# KiCad board retroslop.kicad_pcb (continued)
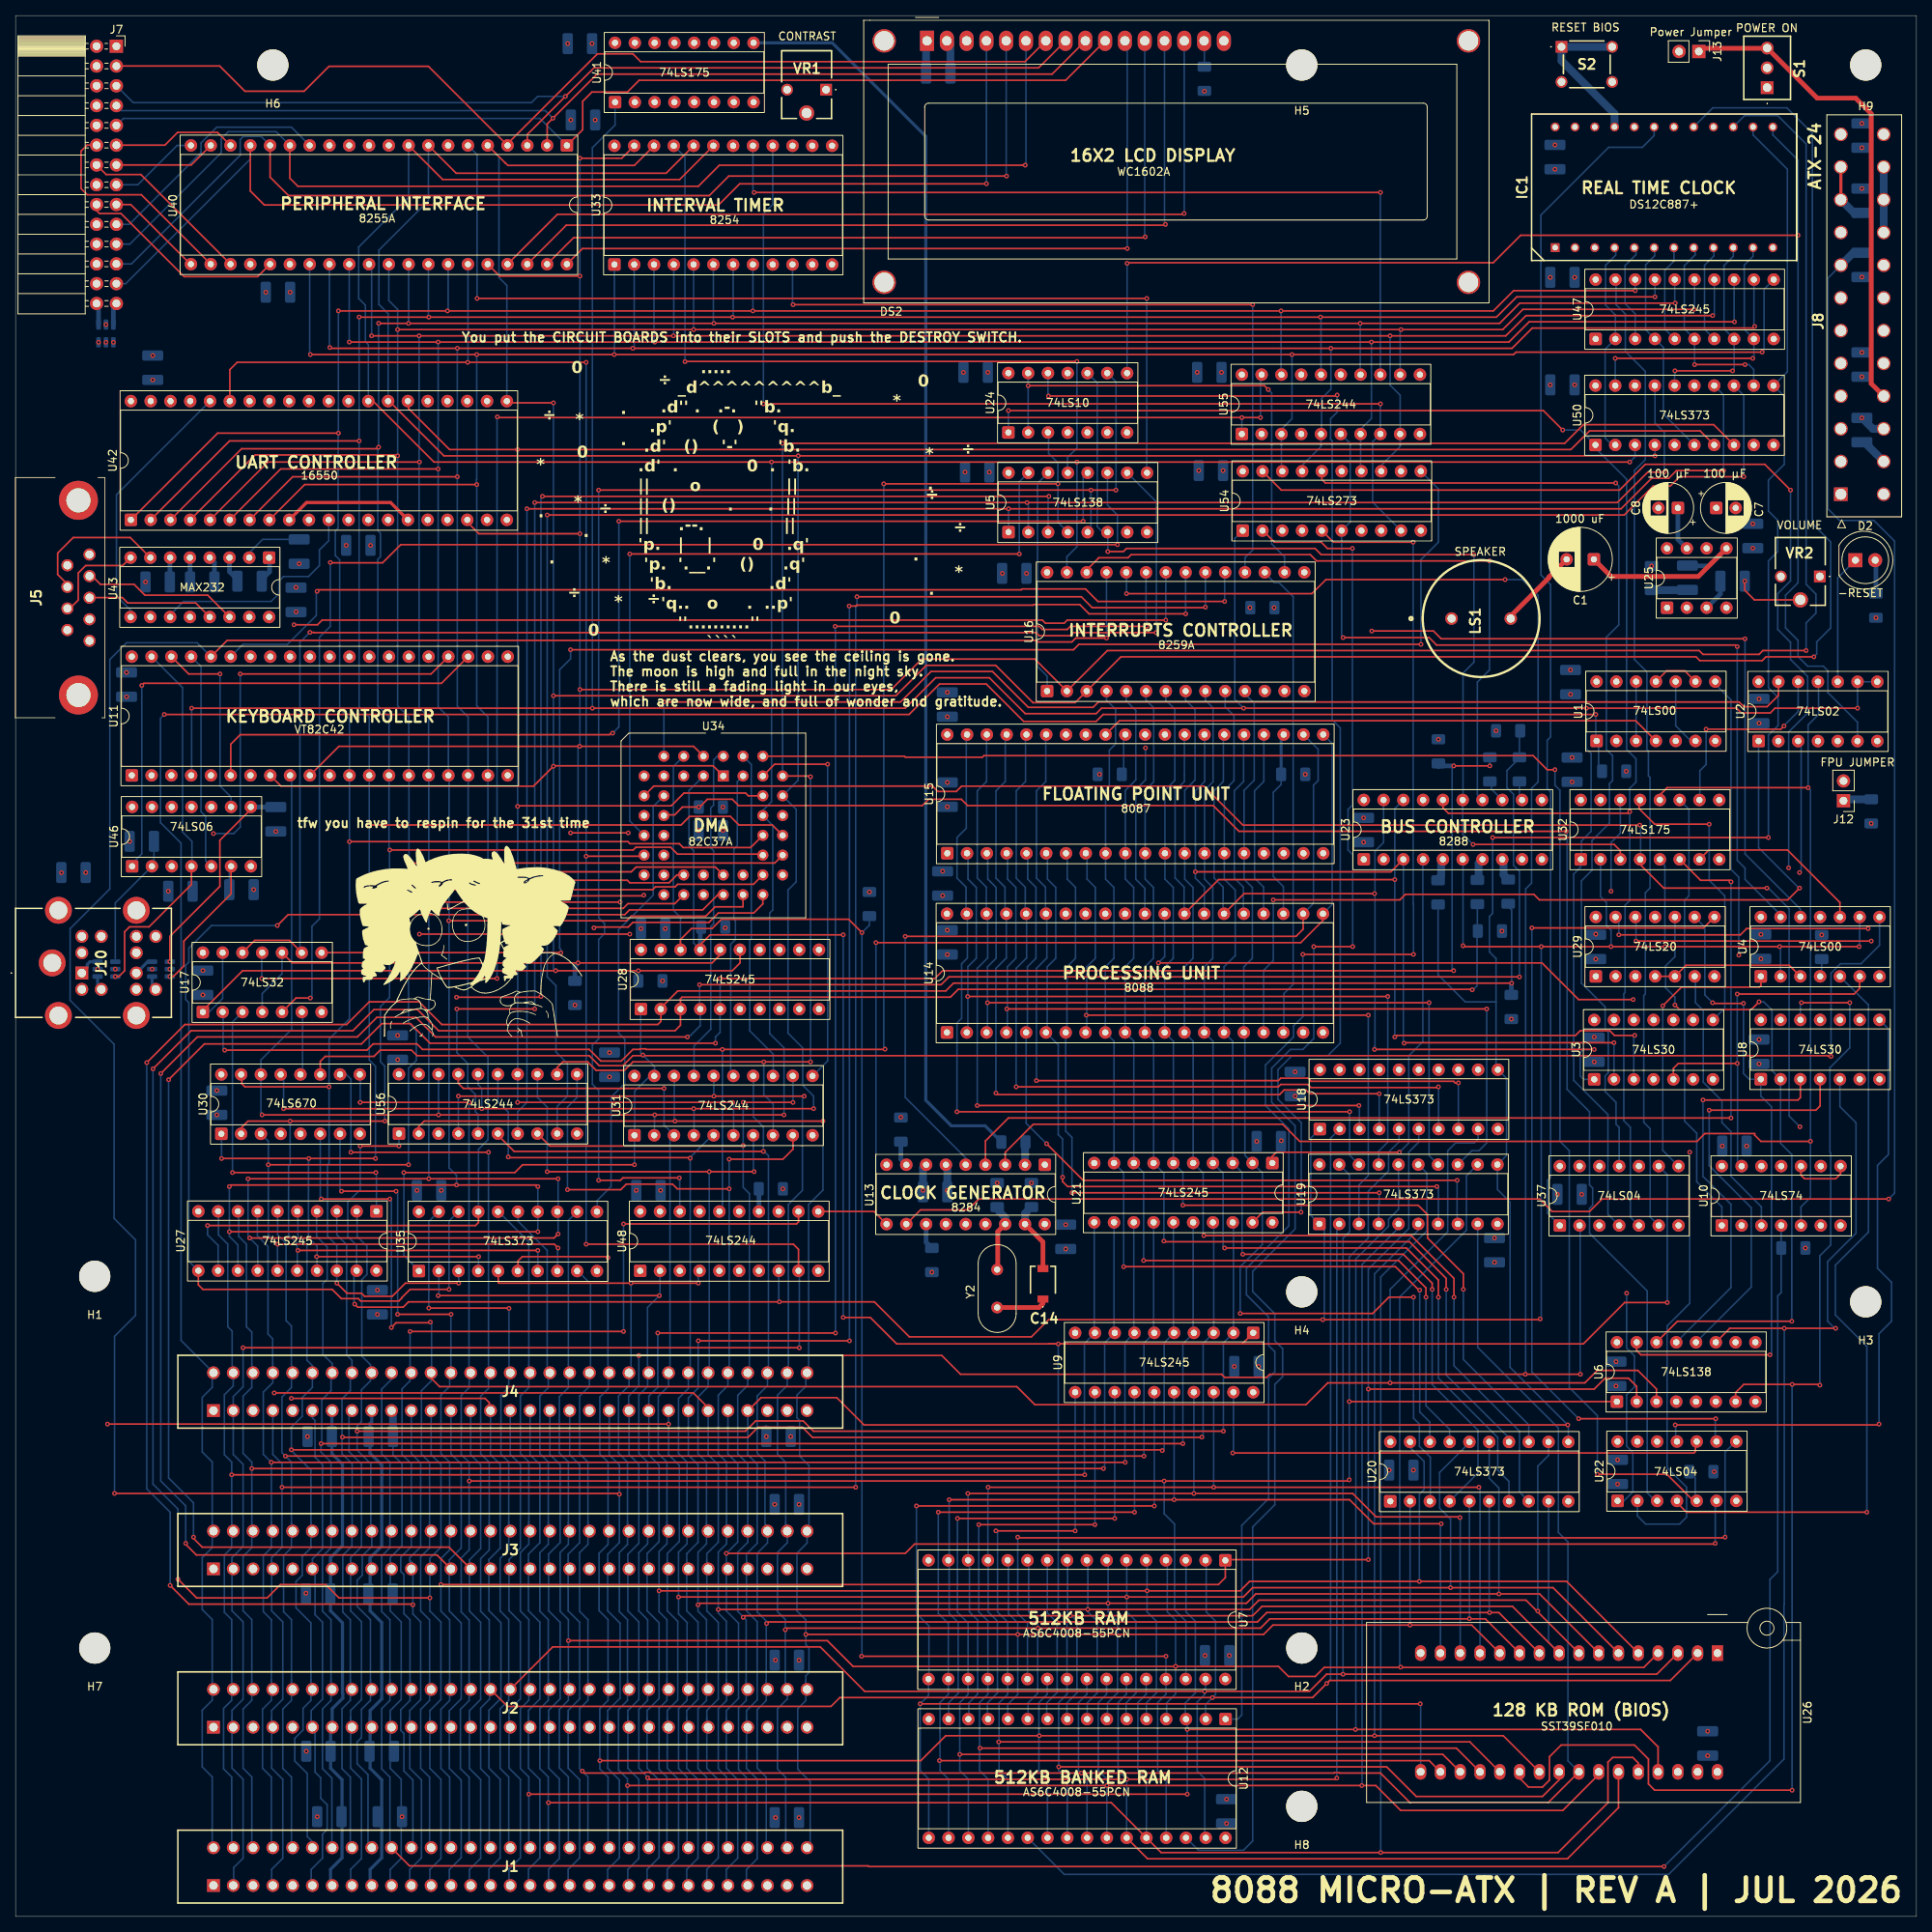
[diagram p0: board, top side]
## Routing (per net, layer and track width the routed paths; a pad name or vN(x,y) marks a point on that pad's centre or on a via; arc(x,y) is an arc through that point) (continued)
/Pinout/PIT GATE: length 124.8
  In3.Cu w0.2: U33.14 102.27,227.87 103.6,229.2 106.4,229.2 107.4,228.2 107.4,212.4 103.49,208.49 41.84,208.49 38.64,205.29 18.09,205.29 13.8,201 11.2,201 10.6,201.6 10.6,202.04 10.57,202.06 v1(10.65,202.06)
/Pinout/PIT OUT: length 109.8
  In3.Cu w0.2: v1(12.55,202.06) 12.56,202.06 17.55,207.05 37.2,207.05 39.84,209.69 99.27,209.69 101,211.42 101,213.6 102.97,215.57 102.97,224.82 104.81,226.66 U33.13
/POWER/PWR GOOD: length 259.1
  Top w0.2: v1(240.44,92.09) 203.64,92.09 202.04,90.49 197.24,90.49 195.64,92.09 123.64,92.09 122.24,90.69 116.16,90.69 U13.11
  Bottom w0.2: J8.8 232.64,210.3 232.64,180.69 234.14,179.19 238.54,179.19 241.2,176.53 241.2,92.85 v1(240.44,92.09)
  Bottom w1: C11.1 235.9,213.56 J8.8
/Processor And Control/AX0: length 134
  Top w0.2: v1(157.2,77.4) 174.2,77.4 176.29,79.49 v1(179.44,79.49) 179.35,79.4
  Bottom w0.2: v1(179.44,79.49) 179.44,66.89 179.46,66.87 179.46,63.94 180.2,63.2 180.2,60.35 181.6,58.95 181.6,53.35 U20.3 ; v1(157.2,77.4) 157.2,83.4 160.04,86.24 160.04,95.45 U21.2 157.8,97.69 157.8,113.33 U14.16 157.66,121.89 158.76,122.99 158.76,132.09 157.69,133.15 U15.16 157.69,144.55 159,145.85 159,155.73 157.81,156.92
/Processor And Control/AX1: length 133.3
  Top w0.2: v1(157.53,85) 178.13,85 181.84,81.29 v1(181.84,80.49)
  Bottom w0.2: U20.4 187.72,56.93 187.72,62.41 181.84,68.29 v1(181.84,80.49) ; 155.27,157.09 155.27,155.26 156.4,154.13 156.4,145.79 155.16,144.55 U15.15 155.16,133.15 156.56,131.75 156.56,123.33 155.12,121.89 U14.15 156.24,112.35 U21.3 157.44,95.51 157.44,85.09 v1(157.53,85) ; 182.04,80.49 181.84,80.29
/Processor And Control/AX2: length 135.4
  Top w0.2: v1(182.64,79.49) 182.64,81.69 178.53,85.8 v1(155.2,85.8)
  Bottom w0.2: v1(155.2,85.8) 155,86 155,95.41 U21.4 153.7,112.35 U14.14 152.58,121.89 153.68,122.99 153.68,132.09 152.62,133.15 U15.14 152.62,144.55 153.72,145.64 153.72,155.13 152.73,156.12 152.73,157.09 ; U20.7 191.7,55.83 190.24,57.29 190.26,57.31 190.26,61.47 182.64,69.09 v1(182.64,79.49)
/Processor And Control/AX3: length 139.6
  Top w0.2: v1(184.64,79.49) 184.64,81.89 179.13,87.4 v1(152.53,87.4)
  Bottom w0.2: 150.19,157.09 150.19,156.12 151.4,154.91 151.4,145.87 150.07,144.55 U15.13 150.07,133.15 151.14,132.09 151.14,122.99 150.04,121.89 U14.13 151.16,112.35 U21.5 152.44,95.43 152.44,87.49 v1(152.53,87.4) ; U20.8 193.04,54.49 193.04,62.29 184.64,70.69 v1(184.64,79.49)
/Processor And Control/AX4: length 135.1
  Top w0.2: v1(149.84,91.29) 180.04,91.29 181.24,90.09 181.24,87.09 185.84,82.49 v1(185.84,80.49)
  Bottom w0.2: v1(149.84,91.29) 149.84,95.49 U21.6 148.62,112.35 U14.12 147.5,121.89 148.6,122.99 148.6,132.09 147.53,133.15 U15.12 147.53,144.54 148.8,145.81 148.8,154.97 147.65,156.12 147.65,157.09 ; v1(185.84,80.49) 185.84,71.49 194.24,63.09 U20.13
/Processor And Control/AX5: length 135.7
  Top w0.2: v1(183.64,80.49) 183.64,81.89 178.93,86.6 147.49,86.6 v1(147.4,86.69)
  Bottom w0.2: 145.11,157.09 145.11,156.12 146.09,155.13 146.09,145.64 145,144.55 U15.11 145,133.15 146.06,132.09 146.06,122.99 144.96,121.89 U14.11 146.08,112.35 U21.7 147.4,95.39 v1(147.4,86.69) ; v1(183.64,80.49) 183.64,69.49 191.64,61.49 191.64,60.97 U20.14
/Processor And Control/AX6: length 134.8
  Top w0.2: v1(144.8,84.2) 177.53,84.2 181.04,80.69 v1(181.04,79.49)
  Bottom w0.2: U16.5 142.57,156.03 143.8,154.8 143.8,145.89 142.46,144.55 142.46,133.15 143.52,132.09 143.52,122.99 142.42,121.89 U14.10 143.54,112.35 U21.8 144.8,95.45 v1(144.8,84.2) ; U20.17 184.08,62.52 181.04,65.56 v1(181.04,79.49)
/Processor And Control/AX7: length 135.9
  Top w0.2: v1(180.24,80.4) 180.13,80.4 177.13,83.4 v1(142.24,83.4)
  Bottom w0.2: 140.03,157.09 140.03,156.12 141.2,154.95 141.2,150.5 140.4,149.7 140.4,145.03 139.91,144.55 U15.9 139.91,133.15 140.98,132.09 140.98,122.99 139.88,121.89 U14.9 141,112.35 U21.9 142.24,95.47 v1(142.24,83.4) ; U20.18 181.54,63.46 180.24,64.76 v1(180.24,80.4)
/Processor And Control/AX8: length 87.4
  Top w0.2: v1(173.64,115.69) v1(137.44,115.69)
  Bottom w0.2: v1(173.64,115.69) 173.64,95.09 172.44,93.89 U19.3 ; 137.53,136.47 137.53,133.15 138.6,132.09 138.6,122.99 137.5,121.89 137.5,113.47
/Processor And Control/AX9: length 88.3
  Top w0.2: v1(135.6,92.89) v1(175.04,92.89)
  Bottom w0.2: 135,136.47 135,133.15 136.06,132.09 136.06,122.99 134.96,121.89 134.96,113.47 ; U19.4 174.98,91.43 175.04,91.49 v1(175.04,92.89) ; v1(135.6,92.89) 135.6,100 134.8,100.8 U14.7
/Processor And Control/AX10: length 97.1
  Top w0.2: v1(182.44,93.69) 135.04,93.69 134.4,94.33 v1(134.4,94.89)
  Bottom w0.2: 132.42,113.47 132.42,121.89 133.52,122.99 133.52,132.09 132.46,133.15 132.46,136.47 ; v1(134.4,94.89) 134.4,99.8 133.84,100.36 133.84,111.89 U14.6 ; U19.7 182.64,88.93 182.64,93.49 v1(182.44,93.69)
/Processor And Control/AX11: length 99.6
  Top w0.2: v1(132.34,99.19) 137.04,94.49 v1(185.04,94.49)
  Bottom w0.2: v1(132.34,99.19) 129.72,101.81 U14.5 ; 129.91,136.47 129.91,133.15 130.98,132.09 130.98,122.99 129.88,121.89 129.88,113.47 ; U19.8 185.04,88.99 v1(185.04,94.49)
/Processor And Control/AX12: length 107.5
  Top w0.2: v1(188.84,116.49) v1(127.24,116.49)
  Bottom w0.2: 127.3,113.47 127.3,121.89 128.4,122.99 128.4,132.09 127.34,133.15 127.34,136.47 ; v1(188.84,116.49) 188.84,99.29 187.84,98.29 186.92,98.29 U19.13
/Processor And Control/AX13: length 101.8
  Top w0.2: v1(124.76,117.29) v1(181.44,117.29)
  Bottom w0.2: 124.76,113.47 124.76,121.89 125.86,122.99 125.86,132.09 124.79,133.15 124.79,136.47 ; U19.14 181.44,97.67 v1(181.44,117.29)
/Processor And Control/AX14: length 99.9
  Top w0.2: v1(122.22,118.09) v1(176.14,118.09)
  Bottom w0.2: 122.22,113.47 122.24,113.49 122.24,121.91 123.32,122.99 123.32,132.09 122.25,133.15 122.25,136.47 ; U19.17 174.98,98.23 176.14,99.39 v1(176.14,118.09)
/Processor And Control/AX15: length 107.6
  Top w0.2: v1(120.84,103.29) v1(171.24,103.29)
  Bottom w0.2: 122,128.7 122,132.12 120.84,133.28 120.84,138.49 122.04,139.69 122.04,151.7 ; v1(120.84,103.29) 120.84,114.69 121.44,115.29 121.44,122.29 122.18,123.03 122.18,128.71 ; U19.18 171.24,97.71 v1(171.24,103.29)
/Processor And Control/AX16: length 101.2
  Top w0.2: v1(172.44,104.09) v1(123.44,104.09)
  Bottom w0.2: U18.3 172.5,104.03 v1(172.44,104.09) ; 124.78,128.71 124.78,123.03 123.44,121.69 v1(123.44,104.09) ; 124.64,151.7 124.64,145.68 123.44,144.48 123.44,133.28 124.6,132.12 124.6,128.7
/Processor And Control/AX17: length 101.8
  Top w0.2: v1(125.84,105.69) 126.04,105.49 162.24,105.49 162.84,106.09 165.64,106.09 166.13,105.6 v1(175.04,105.6)
  Bottom w0.2: U18.4 v1(175.04,105.6) ; 127.04,151.7 127.04,145.68 125.84,144.48 125.84,133.28 127,132.12 127,128.7 ; v1(125.84,105.69) 125.84,121.69 127.18,123.03 U14.37
/Processor And Control/AX18: length 106.7
  Top w0.2: 182.66,106.47 v1(182.64,106.49) 182.55,106.4 166.29,106.4 165.89,106.8 162.4,106.8 162.09,106.49 v1(128.44,106.49)
  Bottom w0.2: 129.78,128.71 129.78,123.03 128.44,121.69 128.44,106.53 128.44,106.52 v1(128.44,106.49) ; 129.64,151.7 129.64,145.68 128.44,144.48 128.44,133.28 129.6,132.12 129.6,128.7 ; v1(182.64,106.49) 182.66,106.47 U18.7
/Processor And Control/AX19: length 106.4
  Top w0.2: v1(131.04,107.29) 162.09,107.29 162.4,107.6 165.89,107.6 166.29,107.2 184.6,107.2 184.8,107 v1(185.2,107)
  Bottom w0.2: 132.24,151.7 132.24,145.68 131.04,144.48 131.04,133.28 132.21,132.12 132.21,128.7 ; 132.38,128.71 132.38,123.03 131.04,121.69 131.04,107.29 v1(131.04,107.29) ; v1(185.2,107) U18.8
/Processor And Control/FPU IRQ: length 72.5
  Top w0.2: U1.4 207.96,153.49 141.69,153.49 U15.32
/Processor And Control/IRQ0: length 99
  Top w0.2: v1(99.8,206.89) 158.79,206.89 v1(158.8,206.9)
  Bottom w0.2: U33.10 99.73,207 99.8,206.93 v1(99.8,206.89) ; v1(158.8,206.9) 158.8,175.4 157.8,174.4 157.81,174.39 U16.18
/Processor And Control/IRQ1: length 137.4
  Top w0.2: v1(38.7,170.1) 38.89,170.29 129.09,170.29 129.2,170.4 137.33,170.4 138.93,168.8 v1(155.2,168.8)
  Bottom w0.2: U16.19 155.2,172.46 v1(155.2,168.8) ; 27.62,161.71 29.2,163.29 34.89,163.29 38.6,167 38.6,170 v1(38.7,170.1)
/Processor And Control/IRQ2: length 303.1
  Top w0.2: v1(108,169.4) 136.8,169.4 138.2,168 152.66,168 v1(152.73,168.07) ; v1(107.84,55.09) v1(34.2,55.09)
  Bottom w0.2: v1(152.73,168.07) U16.20 ; 32.87,25.14 32.87,26.44 34.3,27.87 34.3,37.8 32.87,39.23 32.87,45.76 ; 32.87,45.37 32.87,46.06 34.2,47.39 34.2,58.12 33.02,59.3 J4.4 ; 32.87,25.56 32.87,19.03 34.3,17.6 34.3,7.47 32.87,6.04 32.87,4.12 J1.4 ; v1(107.84,55.09) 107.84,168.04 108,168.2 v1(108,169.4)
/Processor And Control/IRQ3: length 237.6
  Top w0.2: v1(107,168.2) 107.84,168.2 107.96,168.32 130.61,168.32 130.69,168.4 136.6,168.4 137.8,167.2 v1(150.2,167.2) ; v1(87.64,73.89) v1(107.04,73.89)
  Bottom w0.2: 86.15,25.13 86.15,26.43 87.6,27.88 87.6,37.77 86.15,39.22 86.15,45.75 ; v1(107,168.2) 107.04,168.16 v1(107.04,73.89) ; 87.62,68.02 87.62,67.82 86.36,66.56 J4.25 86.36,59.23 87.6,57.99 87.6,48.02 86.15,46.57 86.15,45.36 ; U16.21 150.19,168.38 150.2,168.37 v1(150.2,167.2) ; v1(87.64,73.89) 87.62,73.87 87.62,68.12 ; 86.15,25.55 86.15,19.02 87.6,17.57 87.6,7.48 86.15,6.03 86.15,4.18 J1.25
/Processor And Control/IRQ4: length 419
  Top w0.2: v1(11.8,63.2) v1(83.82,63.2) ; v1(147.64,166.4) 135,166.4 134.6,166 132.2,166 131.8,166.4 39.35,166.4 38.75,165.8 v1(35.74,165.8)
  In3.Cu w0.2: U42.30 39,193.31 39,175.6 39.6,175 39.6,168.2 37.2,165.8 v1(35.74,165.8) 35.55,165.8 34.55,164.8 14.35,164.8 11.64,162.09 11.64,153.49 10,151.85 10,136.8 11.7,135.1 11.7,127.3 14.2,124.8 14.2,119.4 11.8,117 11.8,89 14.6,86.2 14.6,78 11.8,75.2 v1(11.8,63.2)
  Bottom w0.2: J4.24 83.82,59.28 84.25,58.85 ; 83.65,45.76 83.65,39.23 85,37.88 85,27.79 83.65,26.44 83.65,25.14 ; J1.24 83.65,4.14 83.65,6.04 85.1,7.49 85.1,17.58 83.65,19.03 83.65,25.56 ; U16.22 147.65,167.3 147.64,167.29 v1(147.64,166.4) ; 83.85,62.95 83.8,63 83.8,63.18 v1(83.82,63.2) ; 84.25,58.85 85.2,57.9 85.2,48.13 83.65,46.58 83.65,45.37 ; 84.25,58.85 83.85,59.25
/Processor And Control/IRQ5: length 236.8
  Top w0.2: v1(105.2,165.6) 131.4,165.6 131.8,165.2 135,165.2 135.4,165.6 v1(145.2,165.6) ; v1(105.24,74.89) v1(82.44,74.89)
  Bottom w0.2: v1(105.24,74.89) 105.24,165.06 105.2,165.1 v1(105.2,165.6) ; 81.07,45.37 81.07,46.58 82.6,48.11 82.6,57.92 81.28,59.24 J4.23 81.28,66.78 82.44,67.94 v1(82.44,74.89) ; v1(145.2,165.6) 145.2,166.27 145.11,166.36 U16.23 ; J1.23 81.07,4.18 81.07,6.04 82.6,7.57 82.6,17.5 81.07,19.03 81.07,25.56 ; 81.07,25.14 81.07,26.44 82.6,27.97 82.6,37.7 81.07,39.23 81.07,45.76
/Processor And Control/IRQ6: length 372
  Top w0.2: v1(191.2,171.6) 168.2,171.6 166.4,169.8 v1(142.6,169.8) ; v1(80,72) 118.89,72 121.29,69.6 154.8,69.6 155.2,69.2 160.6,69.2 161,69.6 v1(193.8,69.6) v1(200.86,69.6)
  Bottom w0.2: U37.2 200.84,88.61 200.84,69.62 v1(200.86,69.6) ; 78.59,25.55 78.59,19.02 80,17.61 80,7.44 78.59,6.03 78.59,4.12 J1.22 ; U16.24 142.6,172.5 v1(142.6,169.8) ; 78.59,25.13 78.59,26.43 80,27.84 80,37.81 78.59,39.22 78.59,45.75 ; v1(191.2,171.6) 193.4,171.6 195.44,169.56 195.44,145.64 194.6,144.8 194.6,132.65 193.84,131.89 193.84,69.69 193.8,69.65 v1(193.8,69.6) ; 78.59,45.36 78.59,46.49 80,47.9 80,58.03 78.74,59.29 J4.22 78.7,64.97 78.7,66.8 80,68.1 v1(80,72)
/Processor And Control/IRQ7: length 383.3
  Top w0.2: v1(77.5,54.2) 77.41,54.29 12.71,54.29 v1(12.7,54.3) ; v1(140.04,164.09) 136.09,164.09 135.6,163.6 131.15,163.6 130.94,163.8 27.16,163.8 U11.36
  Bottom w0.2: U11.36 23.3,163.49 14.24,163.49 12.1,161.35 12.1,131.9 7,126.8 7,117.6 12.64,111.96 12.64,89.6 15.4,86.84 15.4,77.16 12.7,74.46 v1(12.7,54.3) ; v1(140.04,164.09) 140.03,164.1 U16.25 ; 76.01,45.75 76.01,39.22 77.6,37.63 77.6,28.02 76.01,26.43 76.01,25.13 ; 76.01,25.55 76.01,19.02 77.5,17.53 77.5,7.52 76.01,6.03 76.01,4.16 J1.21 ; J4.21 76.2,59.25 77.5,57.95 77.5,47.98 76.01,46.49 76.01,45.36
/Processor And Control/NMI: length 107.4
  Top w0.2: v1(229,132) 227.49,130.49 195.6,130.49 194.89,131.2 178.4,131.2 177.69,130.49 v1(161.44,130.49)
  Bottom w0.2: v1(161.44,130.49) 161.44,122.69 160.2,121.45 U14.17 ; v1(229,132) 228.93,132 223.74,137.19 U2.1
/Processor And Control/QS1: length 24
  Bottom w0.2: U15.24 160.24,145.69 159.04,144.49 159.04,133.29 160.2,132.13 U14.24
/Processor And Control/QSO: length 24
  Bottom w0.2: 157.63,151.71 157.63,145.69 156.44,144.49 156.44,133.29 157.6,132.13 157.6,128.71
/Processor And Control/~{DMA WAIT}: length 138.1
  Top w0.2: v1(220.2,132.8) 220,133 216.3,133 U32.6 ; v1(220.2,102.49) 127.44,102.49 124.5,99.55 U13.4
  Bottom w0.2: v1(220.2,102.49) v1(220.2,132.8)
/Processor And Control/~{LOCK}: length 80.9
  Top w0.2: v1(207.64,117.69) 200.64,117.69 195.93,122.4 v1(146.7,122.4)
  In3.Cu w0.2: v1(207.64,117.69) 209.16,116.17 209.16,108.55 U3.4
  Bottom w0.2: U14.29 147.5,123.2 v1(146.7,122.4)
/Processor And Control/~{S0}: length 112.1
  Top w0.2: v1(202.64,111.29) v1(174.44,111.29) ; v1(174.44,131.29) 157.7,131.29 U14.26
  Bottom w0.2: 155,128.71 155,132.13 153.84,133.29 153.84,144.49 155.03,145.69 155.03,151.71 ; v1(174.44,111.29) 174.44,111.68 174.5,111.74 174.5,131.23 v1(174.44,131.29) 174.5,131.35 174.5,136.75 175.6,137.85 U23.19 ; v1(202.64,111.29) 201.24,111.29 200.84,110.89 200.84,107.89 201.28,107.45 U3.1
/Processor And Control/~{S1}: length 106.8
  Top w0.2: U23.3 176.54,134.09 v1(151.44,134.09) ; v1(205.18,112.15) 178.3,112.15 v1(178.24,112.09)
  Bottom w0.2: 205.04,112.29 v1(205.18,112.15) U3.2 ; 152.6,128.71 152.6,132.13 151.44,133.29 151.44,144.49 152.63,145.69 152.63,151.71 ; U23.3 178.14,112.19 v1(178.24,112.09)
/Processor And Control/~{S2}: length 120.7
  Top w0.2: v1(207.84,113.09) 205.24,113.09 204.64,113.69 200.84,113.69 200.24,113.09 177.24,113.09 v1(177.04,112.89) ; U14.28 154.42,133.09 v1(177.04,133.09)
  Bottom w0.2: v1(177.04,112.89) v1(177.04,133.09) 177.04,142.21 U23.18 ; 150.03,151.71 150.03,145.69 148.84,144.49 148.84,133.29 150,132.13 150,128.71 ; v1(207.84,113.09) 207.72,112.97 U3.3
/RAM and ROM/MD0: length 127.4
  Top w0.2: v1(124.84,55.09) v1(153.79,55.09) v1(187.84,55.09)
  Bottom w0.2: U7.13 124.81,54.26 124.84,54.29 v1(124.84,55.09) ; 124.73,45.71 124.84,45.6 124.84,39.09 126.04,37.89 126.04,28.69 124.76,27.41 124.76,25.33 ; U9.18 v1(153.79,55.09) ; U26.13 187.98,54.95 v1(187.84,55.09)
/RAM and ROM/MD1: length 124.9
  Top w0.2: v1(185.4,51.2) 185.31,51.29 174.64,51.29 171.64,54.29 v1(151.25,54.29) v1(122.24,54.29) 122.34,54.19
  Bottom w0.2: 122.34,54.19 v1(122.24,54.29) 122.27,54.26 U7.14 ; v1(185.4,51.2) 185.44,51.16 U26.14 ; v1(151.25,54.29) U9.17 ; 122.36,25.33 122.36,27.41 123.5,28.55 123.5,38.03 122.44,39.09 122.44,45.6
/RAM and ROM/MD2: length 124.1
  Top w0.2: v1(119.84,53.49) v1(148.71,53.49) 171.24,53.49 174.33,50.4 v1(183,50.4)
  Bottom w0.2: U26.15 182.9,50.3 v1(183,50.4) ; v1(119.84,53.49) 119.84,45.82 U7.15 119.84,45.6 119.84,38.89 121,37.73 121,28.65 119.76,27.41 U12.15 ; v1(148.71,53.49) U9.16
/RAM and ROM/MD3: length 162.3
  Top w0.2: v1(115.64,52.69) v1(146.17,52.69) ; v1(180.31,27.29) v1(116.12,27.29)
  Bottom w0.2: v1(115.64,52.69) 115.64,38.89 117.24,37.29 117.24,30.52 U7.17 117.19,28.36 v1(116.12,27.29) 116.12,18.73 117.22,17.63 U12.17 ; v1(146.17,52.69) U9.15 ; v1(180.31,27.29) 180.31,27.21 180.36,27.16 U26.17
/RAM and ROM/MD4: length 148.7
  Top w0.2: v1(118.44,51.89) v1(143.63,51.89) ; v1(118.6,20) 181.46,20 U26.18
  Bottom w0.2: U12.18 119.76,17.63 118.66,18.73 118.66,27.45 119.73,28.52 U7.18 119.73,37.6 118.44,38.89 v1(118.44,51.89) ; v1(143.63,51.89) U9.14
/RAM and ROM/MD5: length 144
  Top w0.2: v1(121.2,20.8) 183.2,20.8 U26.19 ; v1(120.91,51.09) v1(141.09,51.09)
  Bottom w0.2: v1(120.91,51.09) 120.91,39.02 122.27,37.66 U7.19 122.27,28.52 121.2,27.45 121.2,18.73 122.3,17.63 U12.19 ; v1(141.09,51.09) U9.13
/RAM and ROM/MD6: length 139
  Top w0.2: U26.20 184.94,21.6 v1(123.8,21.6) ; v1(123.64,50.29) v1(138.55,50.29)
  Bottom w0.2: v1(123.64,50.29) 123.64,39.09 124.84,37.89 124.81,37.86 U7.20 124.81,28.52 123.74,27.45 123.74,21.66 v1(123.8,21.6) 123.74,21.54 123.74,18.73 124.84,17.63 U12.20 ; v1(138.55,50.29) U9.12
/RAM and ROM/MD7: length 134.8
  Top w0.2: v1(125.84,49.49) v1(136.01,49.49) ; U26.21 186.68,22.4 v1(126.2,22.4)
  Bottom w0.2: v1(125.84,49.49) 126.05,49.28 126.05,39.08 127.35,37.78 U7.21 127.35,28.52 126.24,27.41 126.24,21.85 ; U12.21 127.38,17.63 126.24,18.77 126.24,21.79 ; U9.11 v1(136.01,49.49)
/RTC/AD0: length 27.9
  Bottom w0.2: IC1.4 205.4,214.06 205.4,213.25 204.1,211.95 204.1,206.83 205.36,205.57 U47.2 204.04,201.17 204.04,189.78 205.34,188.48
/RTC/AD1: length 28.6
  In3.Cu w0.2: U50.5 209.32,192.53 209.32,201.07 U47.3
  Bottom w0.2: U47.3 207.9,205.73 206.6,207.03 206.6,211.91 208,213.31 208,214 IC1.5
/RTC/AD2: length 28.4
  Bottom w0.2: U50.6 211.52,192.87 211.52,201.41 U47.4 209.24,203.69 209.24,212.01 210.4,213.17 210.4,214.14 IC1.6
/RTC/AD3: length 33.6
  In3.Cu w0.2: U50.9 223.12,192.01 222.44,192.69 217.24,192.69 214.4,195.53 214.4,201.07 U47.5
  Bottom w0.2: IC1.7 212.87,212.47 211.7,211.3 211.7,203.77 U47.5
/RTC/AD4: length 26.1
  Top w0.2: v1(222,199.2) v1(215.52,199.2)
  Bottom w0.2: 223.12,196.5 223.12,198.57 222.49,199.2 v1(222,199.2) ; IC1.8 215.6,214.02 215.6,213.29 214.2,211.89 214.2,203.81 U47.6 v1(215.52,199.2)
/RTC/AD5: length 19.8
  In3.Cu w0.2: 215.5,196.5 218.06,199.06 U47.7
  Bottom w0.2: U47.7 216.8,203.75 216.8,211.95 218,213.15 218,214.16 IC1.9
/RTC/AD6: length 26.2
  Top w0.2: v1(213,198.4) v1(220.4,198.4)
  Bottom w0.2: v1(213,198.4) 213,198.05 212.96,198.01 212.96,196.5 ; v1(220.4,198.4) 220.6,198.6 U47.8 219.3,203.79 219.3,211.91 220.49,213.1 IC1.10
/RTC/AD7: length 36.4
  Top w0.2: v1(205.34,200) v1(223,200)
  Bottom w0.2: v1(223,200) 223.14,200.14 U47.9 221.9,203.73 221.9,211.97 223.03,213.1 IC1.11 ; v1(205.34,200) 205.34,196.5
/RTC/ADDR EN: length 208.7
  Top w0.2: v1(198.6,190.8) 196.11,193.29 v1(127.44,193.29) ; v1(207.2,141.8) 207,141.6 183.93,141.6 183.22,142.31 U23.16
  Bottom w0.2: 202.8,188.48 206.8,184.48 206.8,149.8 208,148.6 208,145.6 207.2,144.8 v1(207.2,141.8) 207.2,130.4 206.6,129.8 206.6,118.6 206.44,118.44 206.44,102.13 207.28,101.29 207.28,89.79 U37.5 ; v1(198.6,190.8) 200.88,190.8 U50.1 ; v1(127.44,193.29) U24.1
/RTC/ADDR LATCH: length 406.8
  Top w0.2: J4.28 94.03,64.93 95.7,66.6 105.4,66.6 108.91,63.09 v1(199.24,63.09) ; v1(225,138.49) v1(189.6,138.49)
  Bottom w0.2: U20.11 199.32,63.01 v1(199.24,63.09) 191.84,70.49 191.84,91.69 190.22,93.31 U19.11 191.38,97.67 191.38,107.59 U18.11 190.04,108.93 190.04,117.4 ; J1.28 93.82,4.13 93.82,6.02 95.2,7.4 95.2,17.63 93.82,19.01 93.82,25.54 ; 190.04,117.4 186.08,117.4 182.6,120.88 182.6,129.7 182.4,129.9 ; 190.04,117.4 190.04,122.96 189.2,123.8 189.2,128.36 189.6,128.76 v1(189.6,138.49) ; v1(225,138.49) 225,151.62 226.24,152.87 226.24,156.49 225,157.73 225,174 226.2,175.2 226.2,179.2 225,180.4 225,184.36 227.04,186.4 227.04,195.12 225.66,196.5 227.44,198.28 227.44,224.27 223.03,228.68 IC1.14 ; 93.82,45.35 93.82,46.52 95.2,47.9 95.2,58.06 93.98,59.28 J4.28 93.82,65.09 ; 93.82,25.12 93.82,26.42 95.2,27.8 95.2,37.83 93.82,39.21 93.82,45.74 ; 183.04,129.9 183.04,129.44
/RTC/DATA EN: length 125.5
  Bottom w0.2: U37.6 209.82,89.79 209.82,101.11 209,101.93 209,118.2 209.2,118.4 209.2,131.4 209.8,132 209.8,146.2 209.6,146.4 209.6,149.6 209.4,149.8 209.4,159.75 207.8,161.35 207.8,185.6 209.2,187 209.2,198.33 206.64,200.89 206.64,205.69 205.44,206.89 205.44,210.03 U47.19
/RTC/RTC DIR: length 78
  In3.Cu w0.2: U47.1 202.82,200.82 201.8,199.8 200,199.8 198.5,198.3 198.5,193.9 196.2,191.6 196.2,172.35 207.75,160.8 218.93,160.8 222.54,157.19 225.04,157.19 U2.4
/UART/CTS: length 12.5
  Top w0.2: U43.8 13.74,173.4 9,173.4 8.04,172.44 8.04,168.97 6.98,167.91
/UART/RTS: length 18.8
  Top w0.2: U43.7 14.72,177 7.4,177 5.4,175 5.4,172.26 6.98,170.68
/UART/RXD: length 19.8
  Top w0.2: U43.14 24.66,169.6 16.6,169.6 15.2,171 10.89,171 9.82,172.06
/UART/TXD: length 16.1
  Top w0.2: U43.13 23.12,168.6 14.4,168.6 13.7,169.3 9.82,169.3
/Wait State Generator/AEN: length 390.8
  Top w0.2: 185.76,135.41 U23.6 ; v1(43.53,78.6) 43.93,78.2 49.75,78.2 50.44,78.89 v1(98.04,78.89) 110.24,78.89 114.73,74.4 130.4,74.4 132.6,76.6 v1(167.8,76.6) 195.6,76.6 v1(195.7,76.7) ; v1(236.64,124.49) v1(226.44,124.49) v1(211.74,124.49) v1(204.8,124.49) v1(195.84,124.49) 185.91,124.49 v1(185.8,124.6) ; v1(49.21,98.89) v1(44.24,98.89)
  In3.Cu w0.2: 51.75,108.1 51.75,105.54 49.21,103 U56.1 ; U20.1 176.46,55.67 167.8,64.33 v1(167.8,76.6)
  Bottom w0.2: v1(226.44,124.49) 226.56,124.37 U4.2 ; v1(236.64,124.49) 236.64,124.69 236.72,124.77 U4.9 ; v1(204.8,124.49) 204.8,126.6 204.2,127.2 204.2,130.16 203.45,130.91 U32.2 ; U23.6 185.8,135.65 v1(185.8,124.6) ; v1(195.7,76.7) 195.84,76.84 v1(195.84,124.49) ; U19.1 166.26,89.99 166.26,99.91 U18.1 ; v1(43.53,78.6) 43.44,78.69 43.44,82.55 U27.19 43.78,86.15 42.64,87.29 42.64,91.69 44.24,93.29 v1(44.24,98.89) ; U48.8 97.96,78.97 v1(98.04,78.89) ; v1(167.8,76.6) 168,76.8 168,88.5 167.41,89.09 ; v1(49.21,98.89) U56.1 ; v1(211.74,124.49) 211.74,124.73 211.71,124.76 211.71,134.89 210.91,135.69 210.42,135.69 ; 202.92,135.69 202.81,135.69
/Wait State Generator/DMA WAIT: length 23.2
  Top w0.2: U32.7 217.35,136.89 227.44,136.89 234.18,130.15 U4.10
/Wait State Generator/FPU INSTL: length 28.4
  In3.Cu w0.2: J12.1 233.91,143.22 230.73,146.4 224.49,146.4 222.29,148.6 215.39,148.6 U1.5
  Bottom w1: J12.1 234.82,143.4 R42.2
/Wait State Generator/HOLDA: length 193.3
  Top w0.2: 207.88,135.69 211.57,132 v1(224.8,132) ; U34.9 81.93,145.1 117.7,145.1 118.4,144.4 120.75,144.4 121.44,145.09 152.54,145.09 157.54,140.09 v1(208.49,140.09) 208.6,140.2
  In3.Cu w0.2: v1(229.04,101.36) 229.91,100.49 230.91,100.49 231.72,99.68 U10.9
  Bottom w0.2: v1(208.49,140.09) 208.6,139.98 208.6,135.76 U32.4 ; v1(224.8,132) 225,132 227.66,129.34 227.66,102.74 v1(229.04,101.36)
/Wait State Generator/RDY/~{WAIT} DLY: length 57.3
  Bottom w0.2: U32.11 214.8,142.12 214.8,131 214.24,130.44 214.24,102.09 215.8,100.53 215.8,94.31 219.02,91.09 U10.1
/Wait State Generator/~{CLK}: length 25.2
  In3.Cu w0.2: U10.11 226.46,96.31 224.24,94.09 205.52,94.09 U37.12
/Wait State Generator/~{ENABLE IO CK}: length 102.7
  In3.Cu w0.2: U1.13 205.48,154.78 204.38,153.68 204.38,150.02 205,149.4 209.6,149.4 211.6,147.4 219.6,147.4 220.8,146.2 220.8,140.4 219.69,139.29 201.04,139.29 197.6,135.85 197.6,133.6 196.6,132.6 196.6,109.13 208.38,97.35 U37.10
/Wait State Generator/~{RDY}/WAIT: length 199.7
  Top w0.2: v1(230.4,99.5) 230.39,99.49 224.04,99.49 223.24,100.29 223.24,100.49 216.84,100.49 215.84,99.49 164.84,99.49 162.64,101.69 130.64,101.69 127.04,98.09 U13.3 ; v1(230.1,144.89) 212,144.89 210.42,143.31
  Bottom w0.2: U2.11 231.44,158.41 231.44,154.29 230.1,152.95 v1(230.1,144.89) 230.4,144.59 230.4,92.31 229.18,91.09 U10.5
/Wait State Generator/~{RDY}/WAIT DLY: length 26.1
  Top w0.2: v1(217,152.4) 226.6,152.4 v1(227,152.8)
  Bottom w0.2: v1(217,152.4) 217,147.87 216.2,147.07 216.2,143.36 U32.10 ; v1(227,152.8) 227,152.85 228.82,154.67 U2.12
/Wait State Generator/~{RESET}: length 405.4
  Top w0.2: v1(236.44,155.09) 225.84,155.09 225.24,154.49 221.53,154.49 220.93,155.09 v1(157.64,155.09) 139.4,155.09 138.71,154.4 129.6,154.4 125,159 118.11,159 114.2,155.09 v1(74.04,155.09) v1(22.6,155.09)
  Bottom w0.2: U37.4 204.4,90.13 204.4,102.93 200,107.33 200,133.8 200.91,134.71 U32.1 201,135.78 201,138.05 202.24,139.29 202.24,149.29 201.64,149.89 v1(201.64,155.09) ; v1(74.04,155.09) 74.04,227.04 76.95,229.95 U41.1 ; v1(157.64,155.09) 156.5,156.23 156.5,176.87 U54.1 ; v1(22.6,155.09) 22.6,146.53 U11.4 ; U2.8 U2.9 v1(236.44,155.09)
/~{CS0}: length 97.8
  Top w0.2: v1(128.84,174.89) v1(78.84,174.89)
  Bottom w0.2: U5.15 128.84,184.15 v1(128.84,174.89) ; U34.13 78.84,140.61 v1(78.84,174.89)
/~{CS1}: length 93.4
  Top w0.2: v1(136.24,199.6) 86.08,199.6 86.06,199.58 v1(85.93,199.58)
  Bottom w0.2: v1(136.24,199.6) 136.24,188.49 135.04,187.29 135.04,185.35 U5.13 ; v1(85.93,199.58) 85.93,225.85 U33.21
/~{CS2}: length 147.8
  Top w0.2: v1(76.64,151.89) 76.44,151.89 76.24,151.69 28.84,151.69 27.62,150.47 27.62,146.47 ; v1(137.04,179.09) v1(77.44,179.09)
  Bottom w0.2: 137.62,184.67 U5.12 137.04,184.73 v1(137.04,179.09) ; v1(76.64,151.89) 77.44,152.69 v1(77.44,179.09)
/~{CS3}: length 173.1